# KiCad board Monorail_Steam_Reduced.kicad_pcb
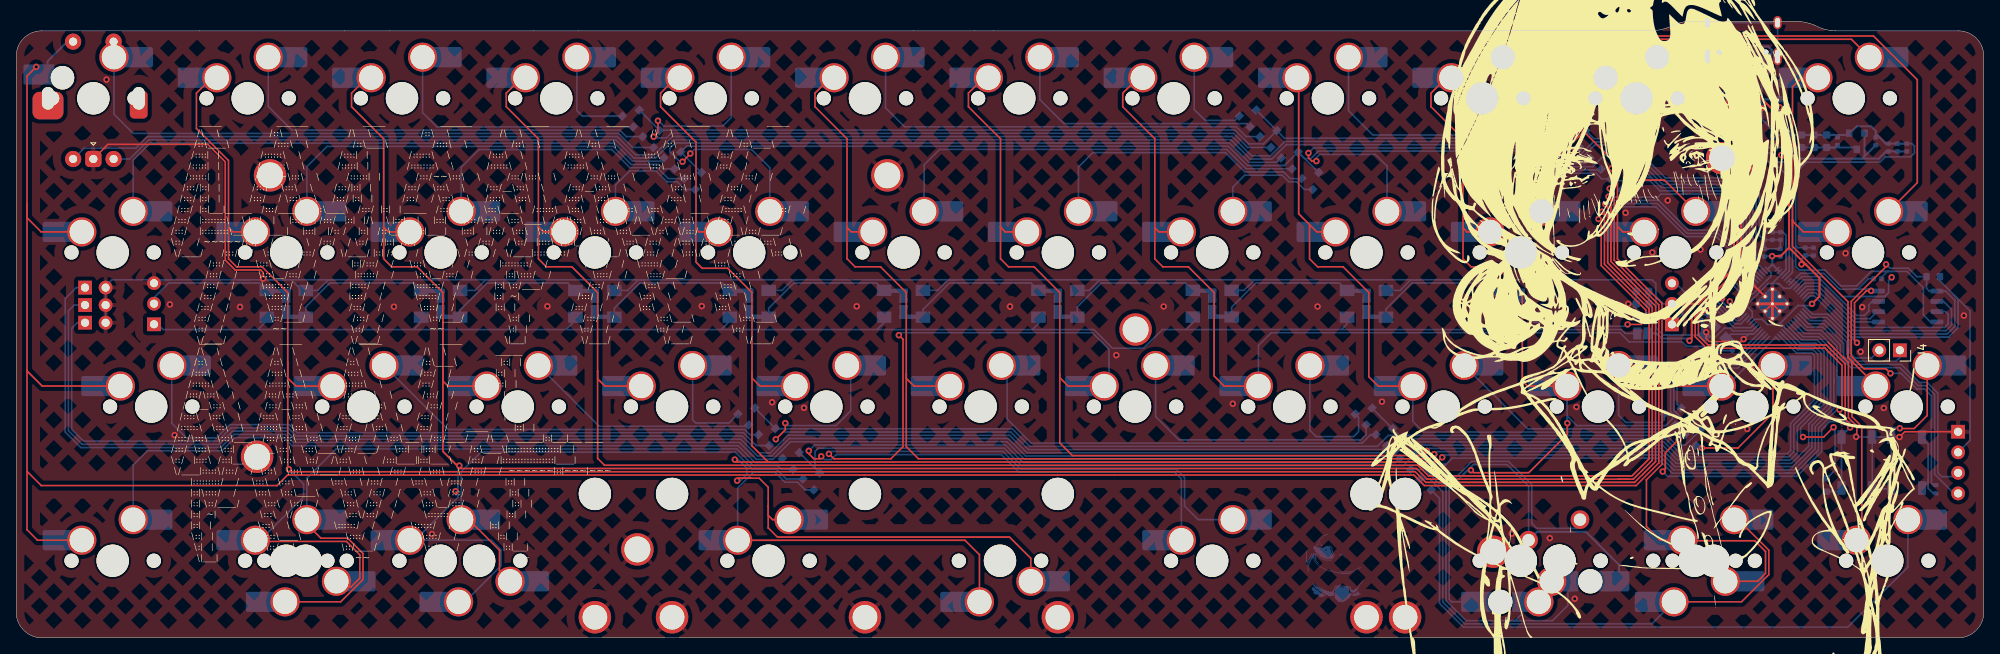
[diagram p0: board, top side]
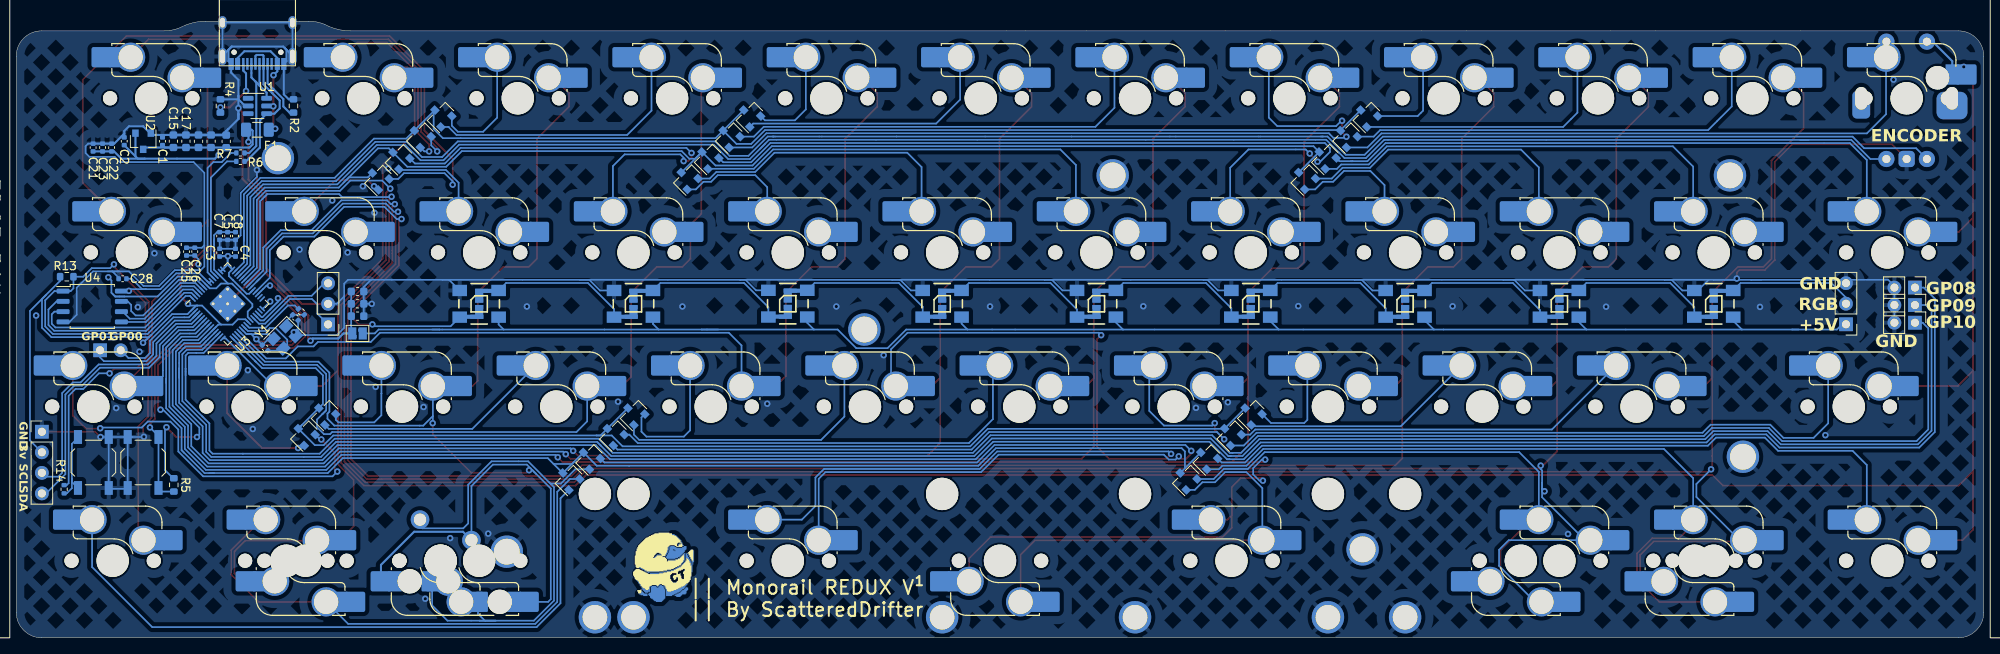
[diagram p1: board, bottom side, seen from below]

Outline 242.89 x 76.2 mm; copper layers: Top, Bottom. Coordinates in mm from the lower left corner of the outline.
Outline path: 0,71.88 0,3.17 arc(0.93,0.93) 3.18,0 239.71,0 arc(241.96,0.93) 242.89,3.17 242.89,71.88 arc(241.97,74.09) 239.76,75.01 224.63,75.01 arc(223.62,75.11) 222.65,75.41 arc(221.11,76) 219.47,76.2 206.77,76.2 arc(205.76,76.1) 204.79,75.8 arc(203.25,75.21) 201.61,75.01 3.13,75.01 arc(0.92,74.09) 0,71.88
Stack: Top 0.035mm / dielectric 1.51mm FR4 er 4.5 / Bottom 0.035mm

## Placement (name value [footprint] x y rotation side)
C1  10u  [C_0402_1005Metric]  224.83 61.37 90 bottom
C2  10u  [C_0402_1005Metric]  229.55 61.37 90 bottom
C3  1u  [C_0402_1005Metric]  217.77 47.6 90 bottom
C4  10u  [C_0402_1005Metric]  215.82 47.6 90 bottom
C5  1u  [C_0402_1005Metric]  216.79 49.66 270 bottom
C6  30p  [C_0402_1005Metric]  208.43 39.57 45 bottom
C7  100n  [C_0402_1005Metric]  217.77 49.66 270 bottom
C8  100n  [C_0402_1005Metric]  215.82 49.66 270 bottom
C13  0.1uF | LCSC: C3011705  [C_0603_1608Metric]  200.76 41.27 180 bottom
C14  0.1uF | LCSC: C3011705  [C_0603_1608Metric]  200.76 42.8 180 bottom
C15  0.1uF | LCSC: C3011705  [C_0603_1608Metric]  223.48 61.37 90 bottom
C16  0.1uF | LCSC: C3011705  [C_0603_1608Metric]  218.83 61.37 90 bottom
C17  0.1uF | LCSC: C3011705  [C_0603_1608Metric]  221.93 61.37 90 bottom
C18  0.1uF | LCSC: C3011705  [C_0603_1608Metric]  200.76 39.75 180 bottom
C19  0.1uF | LCSC: C3011705  [C_0603_1608Metric]  220.38 61.37 90 bottom
C20  0.1uF | LCSC: C3011705  [C_0603_1608Metric]  216.96 61.35 90 bottom
C21  100n  [C_0402_1005Metric]  233.39 60.59 90 bottom
C22  100n  [C_0402_1005Metric]  231.11 60.59 90 bottom
C23  100n  [C_0402_1005Metric]  232.23 60.59 90 bottom
C25  100n  [C_0402_1005Metric]  221.86 47.73 90 bottom
C26  100n  [C_0402_1005Metric]  220.85 47.73 90 bottom
C27  30p  [C_0402_1005Metric]  212.17 35.83 45 bottom
C28  100n  [C_0402_1005Metric]  229.76 44.37 0 bottom
D1  BAV70  [SOT-23]  78.71 61.98 45 bottom
D2  BAV70  [SOT-23]  76.2 64.52 45 bottom
D3  BAV70  [SOT-23]  154.91 61.98 45 bottom
D4  BAV70  [SOT-23]  152.37 64.52 45 bottom
D5  BAV70  [SOT-23]  190.49 64.52 45 bottom
D6  BAV70  [SOT-23]  193.03 61.98 45 bottom
D7  BAV70  [SOT-23]  81.32 59.33 45 bottom
D8  BAV70  [SOT-23]  83.86 56.79 45 bottom
D9  BAV70  [SOT-23]  93.01 25.15 45 bottom
D10  BAV70  [SOT-23]  90.47 27.69 45 bottom
D11  BAV70  [SOT-23]  169.21 25.15 45 bottom
D12  BAV70  [SOT-23]  166.67 27.69 45 bottom
D13  BAV70  [SOT-23]  157.52 59.33 45 bottom
D14  BAV70  [SOT-23]  160.09 56.79 45 bottom
D15  BAV70  [SOT-23]  195.68 59.28 45 bottom
D16  BAV70  [SOT-23]  204.82 27.69 45 bottom
D17  BAV70  [SOT-23]  207.36 25.15 45 bottom
D18  BAV70  [SOT-23]  198.22 56.74 45 bottom
D19  BAV70  [SOT-23]  95.95 22.2 45 bottom
D20  BAV70  [SOT-23]  98.49 19.66 45 bottom
D21  BAV70  [SOT-23]  174.69 19.66 45 bottom
D22  BAV70  [SOT-23]  172.15 22.2 45 bottom
D59  WS2812B  [WS2812B_data-bridgeable]  185.74 41.27 270 bottom
D60  WS2812B  [WS2812B_data-bridgeable]  166.69 41.27 270 bottom
D61  WS2812B  [WS2812B_data-bridgeable]  147.64 41.29 270 bottom
D62  WS2812B  [WS2812B_data-bridgeable]  128.59 41.28 270 bottom
D63  WS2812B  [WS2812B_data-bridgeable]  109.54 41.28 270 bottom
D64  WS2812B  [WS2812B_data-bridgeable]  33.34 41.27 270 bottom
D65  WS2812B  [WS2812B_data-bridgeable]  52.39 41.27 270 bottom
D66  WS2812B  [WS2812B_data-bridgeable]  71.44 41.27 270 bottom
D67  WS2812B  [WS2812B_data-bridgeable]  90.49 41.28 270 bottom
F1  500mA  [Fuse_1206_3216Metric]  213.11 62.79 180 bottom
G***  -  [LOGO]  198.77 24.38 0 top
HOLE_M3  VAL**  [HOLE_M3]  210.58 59.28 0 top
HOLE_M3#2  VAL**  [HOLE_M3]  31.33 57.15 0 top
HOLE_M3#3  VAL**  [HOLE_M3]  76.68 10.93 0 top
HOLE_M3#4  VAL**  [HOLE_M3]  29.73 22.38 0 top
HOLE_M3#5  VAL**  [HOLE_M3]  182.33 10.64 0 top
HOLE_M3#6  VAL**  [HOLE_M3]  138.18 38.1 0 top
HOLE_M3#7  VAL**  [HOLE_M3]  107.53 57.15 0 top
J1  Conn_01x02_Male  [PinHeader_1x02_P2.54mm_Vertical]  8.5 38.94 270 bottom
J2  Conn_01x02_Male  [PinHeader_1x02_P2.54mm_Vertical]  8.5 43.28 270 bottom
J3  Conn_01x02_Male  [PinHeader_1x02_P2.54mm_Vertical]  8.5 41.12 270 bottom
J4  Conn_01x02_Male  [PinSocket_1x02_P2.54mm_Vertical]  232.53 35.53 270 top
J6  USB_C_Receptacle_USB2.0  [USB_C_Receptacle_HRO_TYPE-C-31-M-12]  213.1 74.97 0 bottom
J8  Conn_01x04_Male  [PinHeader_1x04_P2.54mm_Vertical]  239.72 25.47 180 bottom
J9  Conn_01x03_Male  [PinHeader_1x03_P2.54mm_Vertical]  17.01 38.75 0 bottom
JP1  SolderJumper_2_Bridged  [SolderJumper-2_P1.3mm_Bridged2Bar_Pad1.0x1.5mm]  200.76 37.62 180 bottom
MX1  MX-NoLED  [SW_MX_HS_1u_NOREF]  207.17 9.52 0 bottom
MX2  MX-NoLED  [SW_MX_HS_1u_NOREF]  35.72 9.52 0 bottom
MX3  MX-NoLED  [SW_MX_1u]  190.5 9.52 0 top
MX7  MX-NoLED  [SW_MX_HS_1u_NOREF#3]  9.52 66.67 180 bottom
MX8  MX-NoLED  [SW_MX_HS_1u_NOREF]  28.58 66.67 180 bottom
MX9  MX-NoLED  [SW_MX_HS_1u_NOREF]  47.63 66.67 180 bottom
MX10  MX-NoLED  [SW_MX_HS_1u_NOREF]  66.68 66.67 180 bottom
MX11  MX-NoLED  [SW_MX_HS_1u_NOREF]  85.72 66.67 180 bottom
MX12  MX-NoLED  [SW_MX_HS_1u_NOREF]  104.78 66.67 180 bottom
MX13  MX-NoLED  [SW_MX_HS_1u_NOREF]  123.82 66.67 180 bottom
MX14  MX-NoLED  [SW_MX_HS_1u_NOREF]  142.88 66.67 180 bottom
MX15  MX-NoLED  [SW_MX_HS_1u_NOREF]  161.92 66.67 180 bottom
MX16  MX-NoLED  [SW_MX_HS_1u_NOREF]  180.97 66.67 180 bottom
MX17  MX-NoLED  [SW_MX_HS_1u_NOREF]  200.03 66.67 180 bottom
MX18  MX-NoLED  [SW_MX_HS_1u_NOREF]  226.22 66.67 180 bottom
MX19  MX-NoLED  [SW_MX_HS_1u_NOREF]  11.91 47.62 180 bottom
MX20  MX-NoLED  [SW_MX_HS_1u_NOREF]  33.34 47.62 180 bottom
MX21  MX-NoLED  [SW_MX_HS_1u_NOREF]  52.39 47.62 180 bottom
MX22  MX-NoLED  [SW_MX_HS_1u_NOREF]  71.44 47.62 180 bottom
MX23  MX-NoLED  [SW_MX_HS_1u_NOREF]  90.49 47.62 180 bottom
MX24  MX-NoLED  [SW_MX_HS_1u_NOREF]  109.54 47.62 180 bottom
MX25  MX-NoLED  [SW_MX_HS_1u_NOREF]  128.59 47.62 180 bottom
MX26  MX-NoLED  [SW_MX_HS_1u_NOREF]  147.64 47.62 180 bottom
MX27  MX-NoLED  [SW_MX_HS_1u_NOREF]  166.69 47.62 180 bottom
MX28  MX-NoLED  [SW_MX_HS_1u_NOREF]  185.74 47.62 180 bottom
MX29  MX-NoLED  [SW_MX_HS_1u_NOREF]  204.79 47.62 180 bottom
MX30  MX-NoLED  [SW_MX_HS_1u_NOREF]  228.6 47.62 180 bottom
MX31  MX-NoLED  [SW_MX_HS_1u_NOREF]  16.67 28.57 180 bottom
MX32  MX-NoLED  [SW_MX_HS_1u_NOREF]  42.86 28.57 180 bottom
MX33  MX-NoLED  [SW_MX_HS_1u_NOREF]  61.91 28.57 180 bottom
MX34  MX-NoLED  [SW_MX_HS_1u_NOREF]  80.96 28.57 180 bottom
MX35  MX-NoLED  [SW_MX_HS_1u_NOREF]  100.01 28.57 180 bottom
MX36  MX-NoLED  [SW_MX_HS_1u_NOREF]  119.06 28.57 180 bottom
MX37  MX-NoLED  [SW_MX_HS_1u_NOREF]  138.11 28.57 180 bottom
MX38  MX-NoLED  [SW_MX_HS_1u_NOREF]  157.16 28.57 180 bottom
MX39  MX-NoLED  [SW_MX_HS_1u_NOREF]  176.21 28.57 180 bottom
MX40  MX-NoLED  [SW_MX_HS_1u_NOREF]  195.26 28.57 180 bottom
MX41  MX-NoLED  [SW_MX_HS_1u_NOREF]  214.31 28.57 180 bottom
MX42  MX-NoLED  [SW_MX_HS_1u_NOREF]  233.36 28.57 180 bottom
MX43  MX-NoLED  [SW_MX_HS_1u_NOREF]  121.44 9.52 0 bottom
MX45  MX-NoLED  [SW_MX_HS_1u_NOREF]  92.87 9.52 180 bottom
MX46  MX-NoLED  [SW_MX_HS_1u_NOREF]  11.91 9.52 180 bottom
MX47  MX-NoLED  [SW_MX_HS_1u_NOREF]  52.39 9.52 180 bottom
MX48  MX-NoLED  [SW_MX_HS_1u_NOREF]  230.98 9.52 180 bottom
MX49  MX-NoLED  [SW_MX_HS_1u_NOREF#2]  185.74 9.52 0 bottom
MX52  MX-NoLED  [SW_MX_HS_1u_NOREF]  33.34 9.52 180 bottom
MX53  MX-NoLED  [SW_MX_HS_1u_NOREF]  57.15 9.52 0 bottom
MX54  MX-NoLED  [SW_MX_HS_1u_NOREF#4]  190.5 9.52 0 bottom
MX57  MX-NoLED  [SW_MX_HS_1u_NOREF]  209.55 9.52 180 bottom
MX58  MX-NoLED  [SW_MX_HS_1u_NOREF]  147.64 9.52 180 bottom
R2  5.1k  [R_0603_1608Metric]  208.66 65.72 270 bottom
R4  5.1k  [R_0603_1608Metric]  217.68 65.72 270 bottom
R5  5.1k  [R_0603_1608Metric]  223.43 18.9 270 bottom
R6  27  [R_0402_1005Metric]  215.21 58.88 180 bottom
R7  27  [R_0402_1005Metric]  215.21 59.92 180 bottom
R12  1k  [R_0402_1005Metric]  207.69 40.28 45 bottom
R13  -10k  [R_0603_1608Metric]  236.65 44.63 180 bottom
R14  1k  [R_0402_1005Metric]  236.97 18.36 270 bottom
REF**  -  [STAB_MX_P_6.25u]  121.44 9.52 180 top
REF**#2  -  [STAB_MX_P_3u]  147.64 9.52 180 top
REF**#3  -  [STAB_MX_P_2u]  92.87 9.52 180 top
REF**#4  -  [Clacktales_9mm_whiteSilk]  162.95 9.22 180 bottom
SW3  RotaryEncoder_Switch  [ROT_Alps_EC11E-Switch]  9.52 66.67 0 top
SWD1  Conn_01x03_Female  [PinHeader_1x03_P2.54mm_Vertical]  204.39 38.73 0 bottom
SWR1  SW_SPST  [SW_SPST_TL3342]  227.22 21.67 90 bottom
SWR2  SW_SPST  [SW_SPST_TL3342]  233.36 21.67 270 bottom
U1  SRV05-4  [SOT-23-6]  213.11 65.72 180 bottom
U2  XC6206PxxxMR  [SOT-23]  227.22 61.37 270 bottom
U3  RP2040TR7  [RP2040-QFN-56]  216.79 41.27 135 bottom
U4  W25Q128JVS  [SOIC-8_5.23x5.23mm_P1.27mm]  233.5 40.94 180 bottom
Y1  Crystal_GND24_Small  [Crystal_SMD_3225-4Pin_3.2x2.5mm]  209.75 37.13 315 bottom

## Library data of the parts
C1 C2 C4 = -: Description: Unpolarized capacitor, small symbol; LCSC: C315248
C3 C5 = -: Description: Unpolarized capacitor, small symbol; LCSC: C107372
C6 C27 = -: Description: Unpolarized capacitor, small symbol; LCSC: C1570
C7 C8 C21-C23 C25 C26 C28 = -: Description: Unpolarized capacitor, small symbol; LCSC: C60474
C13-C20 = -: Description: Unpolarized capacitor, small symbol; LCSC: C3011705
D1-D22 = -: Description: Dual 100V 215mA high-speed switching diodes, common cathode, SOT-23; LCSC: C68978
D59-D67 = -: Description: RGB LED with integrated controller
F1 = -: Description: Resettable fuse, polymeric positive temperature coefficient, small symbol; LCSC: C69688
J1-J4 = -: Description: Generic connector, single row, 01x02, script generated (kicad-library-utils/schlib/autogen/connector/)
J6 = -: Description: USB 2.0-only Type-C Receptacle connector; LCSC: C165948
J8 = -: Description: Generic connector, single row, 01x04, script generated (kicad-library-utils/schlib/autogen/connector/)
J9 SWD1 = -: Description: Generic connector, single row, 01x03, script generated (kicad-library-utils/schlib/autogen/connector/)
JP1 = -: Description: Solder Jumper, 2-pole, closed/bridged
R2 R4 R5 = -: Description: Resistor, small symbol; LCSC: C23186
R6 R7 = -: Description: Resistor, small symbol; LCSC: C138021
R12 R14 = -: Description: Resistor, small symbol; LCSC: C11702
R13 = -: Description: Resistor, small symbol; LCSC: C98220
SW3 = -: Description: Rotary encoder, dual channel, incremental quadrate outputs, with switch
SWR1 SWR2 = -: Description: Single Pole Single Throw (SPST) switch; LCSC: C2886894
U1 = -: Description: ESD Protection Diodes with Low Clamping Voltage, SOT-23-6; LCSC: C85364
U2 = -: Description: Positive 60-250mA Low Dropout Regulator, Fixed Output, SOT-23; LCSC: C5446
U3 = -: LCSC: C2040; MANUFACTURER: Raspberry Pi; MAXIMUM_PACKAGE_HEIGHT: 0.9mm; PARTREV: 1.7.1; STANDARD: IPC 7351B
U4 = -: Description: 128Mb Serial Flash Memory, Standard/Dual/Quad SPI, SOIC-8; LCSC: C97521
Y1 = -: Description: Four pin crystal, GND on pins 2 and 4, small symbol; LCSC: C9002

## Footprints (pads in the part's own frame, mm; a bottom-side part is the same pattern mirrored in y, then rotated)
C_0402_1005Metric
  rrect 0.56x0.62 smd: 1(-0.48,0) 2(0.48,0)
C_0603_1608Metric
  rrect 0.9x0.95 smd: 1(-0.775,0) 2(0.775,0)
Crystal_SMD_3225-4Pin_3.2x2.5mm
  rect 1.4x1.2 smd: 1(-1.1,-0.85) 2(1.1,-0.85) 3(1.1,0.85) 4(-1.1,0.85)
Fuse_1206_3216Metric
  rrect 1.25x1.75 smd: 1(-1.4,0) 2(1.4,0)
HOLE_M3
  round 4 hole 3.2: 1(0,0)
PinHeader_1x02_P2.54mm_Vertical
  rect 1.7x1.7 hole 1: 1(0,0)
  oval 1.7x1.7 hole 1: 2(0,-2.54)
PinHeader_1x03_P2.54mm_Vertical
  rect 1.7x1.7 hole 1: 1(0,0)
  oval 1.7x1.7 hole 1: 2(0,-2.54) 3(0,-5.08)
PinHeader_1x04_P2.54mm_Vertical
  rect 1.7x1.7 hole 1: 1(0,0)
  oval 1.7x1.7 hole 1: 2(0,-2.54) 3(0,-5.08) 4(0,-7.62)
PinSocket_1x02_P2.54mm_Vertical
  rect 1.7x1.7 hole 1: 1(0,0)
  oval 1.7x1.7 hole 1: 2(0,-2.54)
R_0402_1005Metric
  rrect 0.54x0.64 smd: 1(-0.51,0) 2(0.51,0)
R_0603_1608Metric
  rrect 0.8x0.95 smd: 1(-0.825,0) 2(0.825,0)
ROT_Alps_EC11E-Switch
  round 2 hole 1: A(-2.5,-7.5) B(2.5,-7.5) S1(2.5,7) S2(-2.5,7)
  rrect 2x2 hole 1: C(0,-7.5)
  rrect 3.8x3.4 hole 1.5x2.8: MP(-5.6,0)
  rrect 2.2x3.4 hole 1.5x2.8: MP(5.6,0)
RP2040-QFN-56
  rrect 1.084x1.084 smd: (-0.637,-0.637) (-0.637,0.637) (0.637,-0.637) (0.637,0.637)
  rrect 0.875x0.2 smd: 1(-3.438,2.6) 2(-3.438,2.2) 3(-3.438,1.8) 4(-3.438,1.4) 5(-3.438,1) 6(-3.438,0.6) 7(-3.438,0.2) 8(-3.438,-0.2) 9(-3.438,-0.6) 10(-3.438,-1) 11(-3.438,-1.4) 12(-3.438,-1.8) 13(-3.438,-2.2) 14(-3.438,-2.6) 29(3.438,-2.6) 30(3.438,-2.2) 31(3.438,-1.8) 32(3.438,-1.4) 33(3.438,-1) 34(3.438,-0.6) 35(3.438,-0.2) 36(3.438,0.2) 37(3.438,0.6) 38(3.438,1) 39(3.438,1.4) 40(3.438,1.8) 41(3.438,2.2) 42(3.438,2.6)
  rrect 0.2x0.875 smd: 15(-2.6,-3.438) 16(-2.2,-3.438) 17(-1.8,-3.438) 18(-1.4,-3.438) 19(-1,-3.438) 20(-0.6,-3.438) 21(-0.2,-3.438) 22(0.2,-3.438) 23(0.6,-3.438) 24(1,-3.438) 25(1.4,-3.438) 26(1.8,-3.438) 27(2.2,-3.438) 28(2.6,-3.438) 43(2.6,3.438) 44(2.2,3.438) 45(1.8,3.438) 46(1.4,3.438) 47(1,3.438) 48(0.6,3.438) 49(0.2,3.438) 50(-0.2,3.438) 51(-0.6,3.438) 52(-1,3.438) 53(-1.4,3.438) 54(-1.8,3.438) 55(-2.2,3.438) 56(-2.6,3.438)
  round 0.6 hole 0.35: 57(-1.275,-1.275) 57(-1.275,0) 57(-1.275,1.275) 57(0,-1.275) 57(0,0) 57(0,1.275) 57(1.275,-1.275) 57(1.275,0) 57(1.275,1.275)
  rrect 3.2x3.2 smd: 57(0,0)
SOIC-8_5.23x5.23mm_P1.27mm
  rrect 1.6x0.6 smd: 1(-3.6,1.905) 2(-3.6,0.635) 3(-3.6,-0.635) 4(-3.6,-1.905) 5(3.6,-1.905) 6(3.6,-0.635) 7(3.6,0.635) 8(3.6,1.905)
SolderJumper-2_P1.3mm_Bridged2Bar_Pad1.0x1.5mm
  rect 1x1.5 smd: 1(-0.65,0) 2(0.65,0)
SOT-23
  rect 0.9x0.8 smd: 1(-1,0.95) 2(-1,-0.95) 3(1,0)
SOT-23-6
  rrect 1.325x0.6 smd: 1(-1.137,0.95) 2(-1.137,0) 3(-1.137,-0.95) 4(1.137,-0.95) 5(1.137,0) 6(1.137,0.95)
STAB_MX_P_2u
  round 3.988 hole 3.988 unplated: (-11.906,-8.255) (11.906,-8.255)
  round 4 hole 3.048: 1(-11.906,6.985) 2(11.906,6.985)
STAB_MX_P_3u
  round 4 hole 3.048: (-19.05,6.985) (19.05,6.985)
  round 3.988 hole 3.988 unplated: (-19.05,-8.255) (19.05,-8.255)
STAB_MX_P_6.25u
  round 4 hole 3.048: (-50.006,6.985) (50.006,6.985)
  round 3.988 hole 3.988 unplated: (-50.006,-8.255) (50.006,-8.255)
SW_MX_1u
  round 1.75 hole 1.75 unplated: (-5.08,0) (5.08,0)
  round 3.988 hole 3.988 unplated: (0,0)
  round 2.3 hole 1.524: 1(-3.81,2.54) 2(2.54,5.08)
SW_MX_HS_1u_NOREF
  round 1.75 hole 1.75 unplated: (-5.08,0) (5.08,0)
  round 3.988 hole 3.988 unplated: (0,0)
  round 3.6 hole 3: 1(3.81,2.54) 2(-2.54,5.08)
  rect 1.65x2.5 smd: 1(5.635,2.54) 2(-4.34,5.08)
  rrect 2.55x2.5 smd: 1(7.36,2.54) 2(-6.09,5.08)
SW_MX_HS_1u_NOREF#2
  round 1.75 hole 1.75 unplated: (-5.08,0) (5.08,0)
  round 3 hole 3 unplated: (-2.54,5.08)
  round 3.988 hole 3.988 unplated: (0,0)
  round 3.6 hole 3: 1(3.81,2.54)
  rect 1.65x2.5 smd: 1(5.635,2.54) 2(-4.34,5.08)
  rrect 1.5x2.5 smd: 1(7.36,2.54)
  rrect 2.55x2.5 smd: 2(-6.09,5.08)
SW_MX_HS_1u_NOREF#3
  round 1.75 hole 1.75 unplated: (-5.08,0) (5.08,0)
  round 3.988 hole 3.988 unplated: (0,0)
  round 2.9 hole 3 unplated: (3.81,2.54)
  rect 1.65x2.5 smd: 1(5.635,2.54) 2(-4.34,5.08)
  rrect 2.55x2.5 smd: 1(7.36,2.54) 2(-6.09,5.08)
  round 3.6 hole 3: 2(-2.54,5.08)
SW_MX_HS_1u_NOREF#4
  round 1.75 hole 1.75 unplated: (-5.08,0) (5.08,0)
  round 3.988 hole 3.988 unplated: (0,0)
  round 3 hole 3 unplated: (3.81,2.54)
  rect 1.65x2.5 smd: 1(5.635,2.54) 2(-4.34,5.08)
  rrect 2.55x2.5 smd: 1(7.36,2.54)
  rrect 1.5x2.5 smd: 2(-6.09,5.08)
  round 3.6 hole 3: 2(-2.54,5.08)
SW_SPST_TL3342
  rect 1.7x1 smd: 1(-3.15,1.9) 1(3.15,1.9) 2(-3.15,-1.9) 2(3.15,-1.9)
USB_C_Receptacle_HRO_TYPE-C-31-M-12
  round 0.65 hole 0.65 unplated: (-2.89,2.6) (2.89,2.6)
  rect 0.6x1.45 smd: A1(-3.25,4.045) A4(-2.45,4.045) A9(2.45,4.045) A12(3.25,4.045) B1(3.25,4.045) B4(2.45,4.045) B9(-2.45,4.045) B12(-3.25,4.045)
  rect 0.3x1.45 smd: A5(-1.25,4.045) A6(-0.25,4.045) A7(0.25,4.045) A8(1.25,4.045) B5(1.75,4.045) B6(0.75,4.045) B7(-0.75,4.045) B8(-1.75,4.045)
  oval 1x1.6 hole 0.6x1.2: S1(-4.32,-1.05) S1(4.32,-1.05)
  oval 1x2.1 hole 0.6x1.7: S1(-4.32,3.13) S1(4.32,3.13)
WS2812B_data-bridgeable
  rect 1.4x1.8 smd: 1(1.65,2.4) 2(-1.65,2.4) 3(-1.65,-2.4) 4(1.65,-2.4)
  rect 0.5x1.6 smd: 2(-1.6,0.3) 4(1.6,-0.3)
  rect 0.5x3 smd: 2(-1.6,1) 4(1.6,-1)
  rect 1.7x1 smd: 2(-1,0) 4(1,0)
  rect 0.5x1 smd: 2(-0.4,0) 4(0.4,0)

## Nets
+1V1: C5.1 C7.1 C8.1 U3.23 U3.45 U3.50
+3V3: C2.1 C3.1 C4.1 C21.1 C22.1 C23.1 C25.1 C26.1 C28.1 J8.2 R5.1 R13.1 U2.2 U3.1 U3.10 U3.22 U3.33 U3.42 U3.43 U3.44 U3.48 U3.49 U4.8
+5V: C1.1 C13.1 C14.1 C15.1 C16.1 C17.1 C18.1 C19.1 C20.1 F1.1 JP1.1 U2.3
+5VD: D59.1 D60.1 D61.1 D62.1 D63.1 D64.1 D65.1 D66.1 D67.1 J9.1 JP1.2
GND: C1.2 C2.2 C3.2 C4.2 C5.2 C6.1 C7.2 C8.2 C13.2 C14.2 C15.2 C16.2 C17.2 C18.2 C19.2 C20.2 C21.2 C22.2 C23.2 C25.2 C26.2 C27.2 C28.2 D59.3 D60.3 D61.3 D62.3 D63.3 D64.3 D65.3 D66.3 D67.3 HOLE_M3.1 HOLE_M3#2.1 HOLE_M3#3.1 HOLE_M3#4.1 HOLE_M3#5.1 HOLE_M3#7.1 J1.2 J2.2 J3.2 J6.A1 J6.A12 J6.B1 J6.B12 J6.S1 J8.1 J9.3 R2.1 R4.1 REF**. REF**#2. REF**#3.1 REF**#3.2 SW3.C SWD1.2 SWR1.1 SWR2.1 U1.2 U2.1 U3.19 U3.57 U4.4 Y1.2 Y1.4
VCC: F1.2 J6.A4 J6.A9 J6.B4 J6.B9 U1.5
COL0: MX7.1 MX19.1 MX31.1 MX46.1 SW3.S2 U3.37
COL1: MX2.1 MX8.1 MX20.1 MX32.1 MX52.1 U3.36
COL2: MX9.1 MX21.1 MX33.1 MX47.1 MX53.2 U3.35
COL3: MX10.1 MX22.1 MX34.1 U3.34
COL4: MX11.1 MX23.1 MX35.1 MX43.1 MX45.2 U3.7
COL5: MX12.1 MX24.1 MX36.1 U3.8
COL6: MX13.1 MX25.1 MX37.1 MX58.2 U3.9
COL7: MX14.1 MX26.1 MX38.1 U3.18
COL8: MX15.1 MX27.1 MX39.1 U3.16
COL9: MX3.1 MX16.1 MX28.1 MX40.1 MX49.2 MX54.1 U3.17
COL10: MX1.1 MX17.1 MX29.1 MX41.1 MX57.1 U3.14
COL11: MX18.1 MX30.1 MX42.1 MX48.1 U3.6
D+: J6.A6 J6.B6 R7.2 U1.6
D-: J6.A7 J6.B7 R6.2 U1.4
ENC_ROW: D1.1 MX7.2 SW3.S1
ENCA: SW3.B U3.39
ENCB: SW3.A U3.40
EXTRA0: J4.2 U3.2
EXTRA1: J4.1 U3.3
LED1: J1.1 U3.13
LED2: J2.1 U3.11
LED3: J3.1 U3.12
QSPI_CLK: U3.52 U4.6
QSPI_D0: U3.53 U4.5
QSPI_D1: U3.55 U4.2
QSPI_D2: U3.54 U4.3
QSPI_D3: U3.51 U4.7
QSPI_SS: R13.2 R14.1 U3.56 U4.1
RGB: D59.4 U3.32
RGB_OUT: D64.2 J9.2
ROW0: D1.3 D2.3 D3.3 D4.3 D5.3 D6.3 U3.41
ROW1: D7.3 D8.3 D13.3 D14.3 D15.3 D18.3 U3.38
ROW2: D9.3 D10.3 D11.3 D12.3 D16.3 D17.3 U3.15
ROW3: D19.3 D20.3 D21.3 D22.3 U3.31
RUN: R5.2 SWR1.2 U3.26
SCL: J8.3 U3.4
SDA: J8.4 U3.5
SWCLK: SWD1.1 U3.24
SWDIO: SWD1.3 U3.25
XIN: C27.1 U3.20 Y1.3
XOUT: R12.2 U3.21
Net-(C6-Pad2): C6.2 R12.1 Y1.1
Net-(D59-DOUT): D59.2 D60.4
Net-(D60-DOUT): D60.2 D61.4
Net-(D61-DOUT): D61.2 D62.4
Net-(D62-DOUT): D62.2 D63.4
Net-(D63-DOUT): D63.2 D67.4
Net-(D64-DIN): D64.4 D65.2
Net-(D65-DIN): D65.4 D66.2
Net-(D66-DIN): D66.4 D67.2
Net-(J6-CC1): J6.A5 R2.2
Net-(J6-CC2): J6.B5 R4.2
Net-(MX1-ROW): D21.2 MX1.2 MX57.2
Net-(MX2-ROW): D19.1 MX2.2 MX52.2
Net-(MX3-ROW): D22.1 MX3.2 MX49.1 MX54.2
Net-(MX8-ROW): D1.2 MX8.2
Net-(MX9-ROW): D2.1 MX9.2
Net-(MX10-ROW): D2.2 MX10.2
Net-(MX11-ROW): D3.1 MX11.2
Net-(MX12-ROW): D3.2 MX12.2
Net-(MX13-ROW): D4.1 MX13.2
Net-(MX14-ROW): D4.2 MX14.2
Net-(MX15-ROW): D5.1 MX15.2
Net-(MX16-ROW): D5.2 MX16.2
Net-(MX17-ROW): D6.1 MX17.2
Net-(MX18-ROW): D6.2 MX18.2
Net-(MX19-ROW): D7.2 MX19.2
Net-(MX20-ROW): D7.1 MX20.2
Net-(MX21-ROW): D8.2 MX21.2
Net-(MX22-ROW): D8.1 MX22.2
Net-(MX23-ROW): D13.2 MX23.2
Net-(MX24-ROW): D13.1 MX24.2
Net-(MX25-ROW): D14.2 MX25.2
Net-(MX26-ROW): D14.1 MX26.2
Net-(MX27-ROW): D15.2 MX27.2
Net-(MX28-ROW): D15.1 MX28.2
Net-(MX29-ROW): D18.1 MX29.2
Net-(MX30-ROW): D18.2 MX30.2
Net-(MX31-ROW): D9.1 MX31.2
Net-(MX32-ROW): D9.2 MX32.2
Net-(MX33-ROW): D10.1 MX33.2
Net-(MX34-ROW): D10.2 MX34.2
Net-(MX35-ROW): D11.1 MX35.2
Net-(MX36-ROW): D11.2 MX36.2
Net-(MX37-ROW): D12.1 MX37.2
Net-(MX38-ROW): D12.2 MX38.2
Net-(MX39-ROW): D16.1 MX39.2
Net-(MX40-ROW): D16.2 MX40.2
Net-(MX41-ROW): D17.1 MX41.2
Net-(MX42-ROW): D17.2 MX42.2
Net-(MX43-ROW): D20.1 MX43.2 MX45.1
Net-(MX46-ROW): D19.2 MX46.2
Net-(MX47-ROW): D20.2 MX47.2 MX53.1
Net-(MX48-ROW): D21.1 MX48.2
Net-(MX58-COL): D22.2 MX58.1
Net-(SWR2-B): R14.2 SWR2.2
Net-(U3-USB_DM): R6.1 U3.46
Net-(U3-USB_DP): R7.1 U3.47

Pads without a net: HOLE_M3#6 1; J6 A8 B8; SW3 MP; U1 1 3; U3 27 28 29 30

## Via types
v1: diameter 0.8, hole 0.4, Top to Bottom, 104 vias

## Routing (per net, layer and track width the routed paths; a pad name or vN(x,y) marks a point on that pad's centre or on a via; arc(x,y) is an arc through that point)
+1V1: length 37.6
  Bottom w0.2: 229.51,42.18 230.67,42.18 ; 229.51,42.18 230.67,42.18 ; 229.51,42.18 225.43,42.18 222.97,44.64 220.44,44.64 U3.50 218.98,43.19 218.2,43.19 217.61,43.78 216.75,43.78 ; 230.67,42.18 231.01,42.52 ; 230.67,42.18 231.13,42.64 231.13,44.17 v1(231.51,44.55) ; 218.47,47.68 218.47,46.84 ; 218.47,48.59 218.47,49.23 ; 218.47,48.59 218.47,46.84 ; 218.47,48.59 218.47,49.76 218.08,50.14 C7.1 C8.1 ; U3.23 214.31,39.65 214.31,40.32 213.73,40.89 213.73,41.25 216.26,43.78 216.75,43.78 U3.45 218.47,45.5 218.47,46.84
+3V3: length 171.8
  Top w0.2: v1(224.34,26.02) 223.13,24.82 v1(220.57,24.82) ; v1(220.38,46.16) 220.9,46.16 221.63,45.43 ; v1(227.23,36.47) 226.93,36.77 226.93,41.41 228.39,42.88 v1(228.97,42.88)
  Top w0.25: v1(217.9,59.66) 218.85,58.72 218.85,48.21 ; v1(221.68,41.27) 222.6,42.19 222.6,44.46 218.85,48.21 ; 218.85,48.21 217.8,47.17 v1(216.76,47.17)
  Bottom w0.2: 219.48,37.17 220.24,36.4 222.15,36.4 223.18,35.38 223.18,28.87 220.28,25.97 220.28,25.12 v1(220.57,24.82) ; 219.48,37.17 U3.10 217.94,38.71 217.6,38.71 ; 219.48,37.17 219.79,36.86 ; v1(228.97,42.88) 228.77,43.08 226.86,43.08 ; J8.2 241.19,24.4 241.19,40.39 239.25,42.33 ; 239.25,42.33 237.47,44.11 R13.1 ; 239.25,42.33 239.71,41.88 239.71,38.32 238.54,37.15 226.49,37.15 226.26,37.39 ; 226.86,43.08 225.09,43.08 223.13,45.04 220.27,45.04 U3.49 U3.48 ; 226.86,43.08 227.34,43.08 228.63,44.37 C28.1 ; 220.52,41.06 219.95,41.06 217.6,38.71 ; 220.52,41.06 221.47,41.06 v1(221.68,41.27) ; 220.52,41.06 220.68,41.06 U3.1 221.74,40 223.64,40 226.26,37.39 ; U3.33 214.13,42.52 214.44,42.52 216.1,44.18 216.1,44.18 216.63,44.7 216.63,45.11 U3.42 ; v1(227.23,36.47) 226.83,36.87 226.78,36.87 226.26,37.39 ; C25.1 C26.1 220.38,46.78 v1(220.38,46.16) ; 217.6,38.71 216.17,38.71 215.52,39.36 214.59,39.36 U3.22 ; R5.1 223.52,19.72 224.52,20.73 224.52,25.84 v1(224.34,26.02)
  Bottom w0.25: C3.1 217.73,47.17 v1(216.76,47.17) ; 227.01,59.21 227.88,59.21 228.17,59.5 ; 227.01,59.21 229.91,59.21 230.8,60.11 C21.1 ; 227.01,59.21 218.35,59.21 v1(217.9,59.66) ; 228.17,59.5 U2.2 ; 228.17,59.5 C2.1 ; C4.1 215.87,47.17 v1(216.76,47.17) ; 217.65,45.28 U3.43 216.78,46.14 216.78,47.14 v1(216.76,47.17) ; 216.76,46.1 216.21,45.56
+5V: length 57.9
  Top w0.25: v1(214.22,61.29) 214.22,56.63 212.49,54.9 212.49,45.48 206.83,39.82 206.83,36.99 v1(206.56,36.71)
  Bottom w0.2: JP1.1 201.53,37.74 C14.1
  Bottom w0.25: C15.1 226.99,60.59 U2.3 ; C15.1 C16.1 214.08,60.59 213.7,60.97 213.7,62.66 213.83,62.79 F1.1 214.22,62.5 v1(214.22,61.29) ; C15.1 224.53,60.59 C1.1 ; JP1.1 202.49,37.62 203.12,36.99 206.28,36.99 v1(206.56,36.71)